# Altium PCB 20250621-Copy of PowerUpDelay-SCR.PcbDoc
Units mm, origin at the board's own origin, x right, y up, seen from the top; angles counter-clockwise.
Board outline 52 x 90 mm, 2 copper layers (Top Layer, Bottom Layer), stack 1.569 mm thick; 58 components, 37 nets, 148 pads, 197 vias.
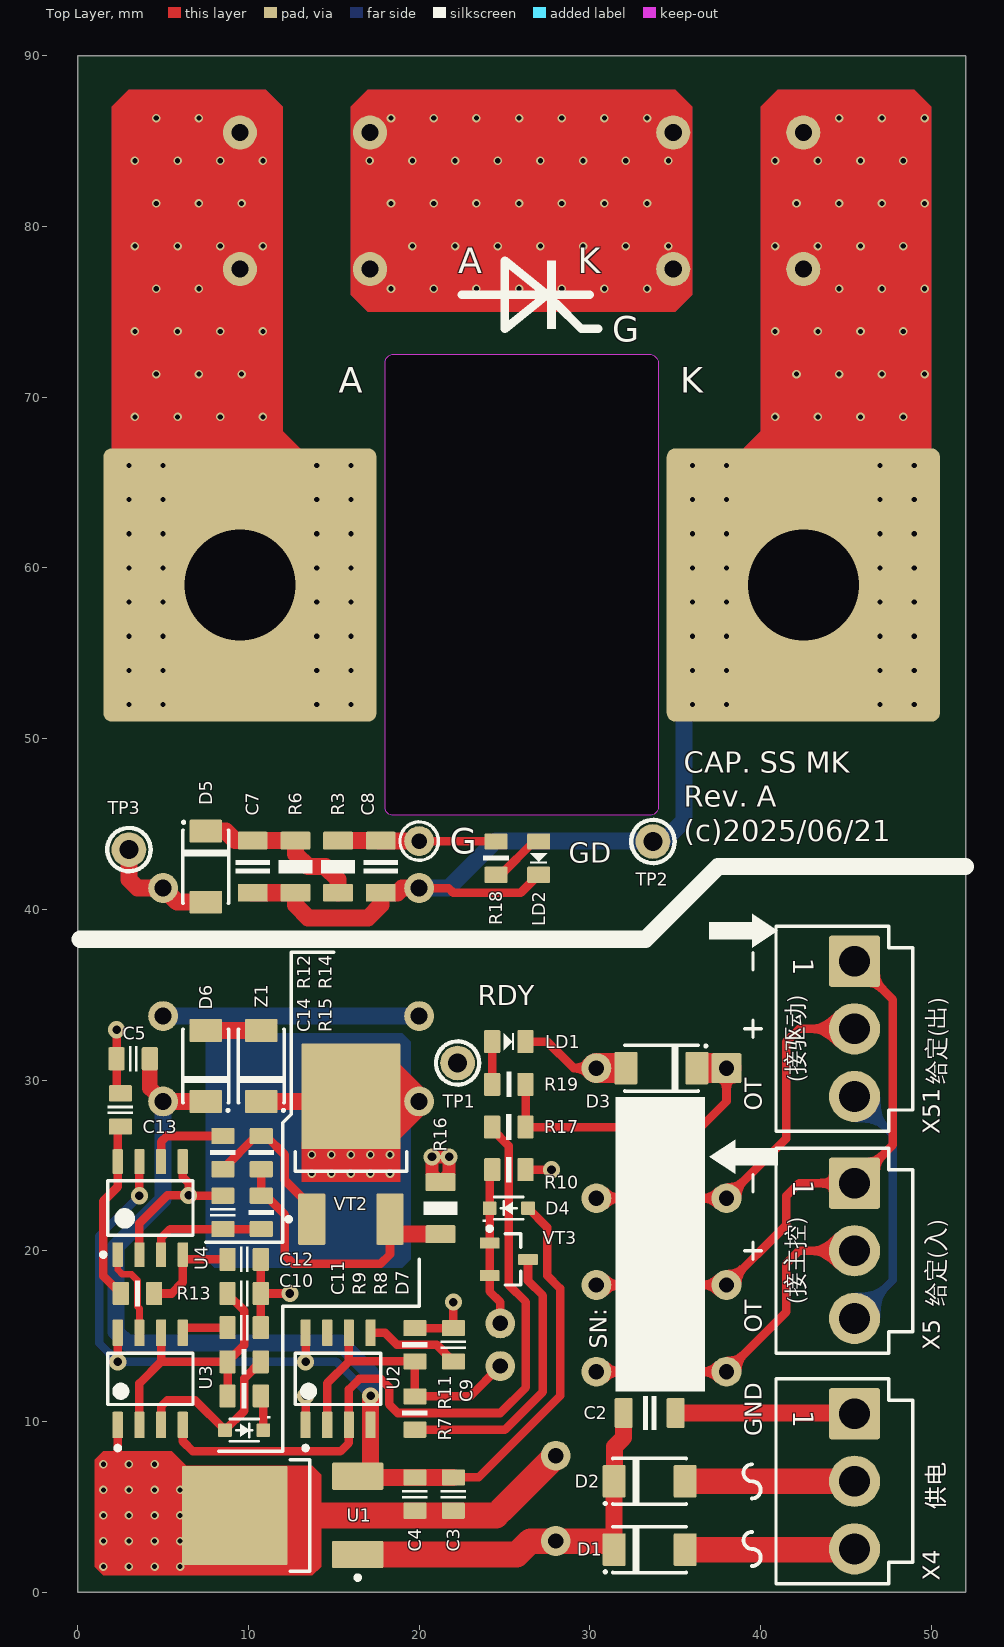
[diagram p0: Top Layer view]
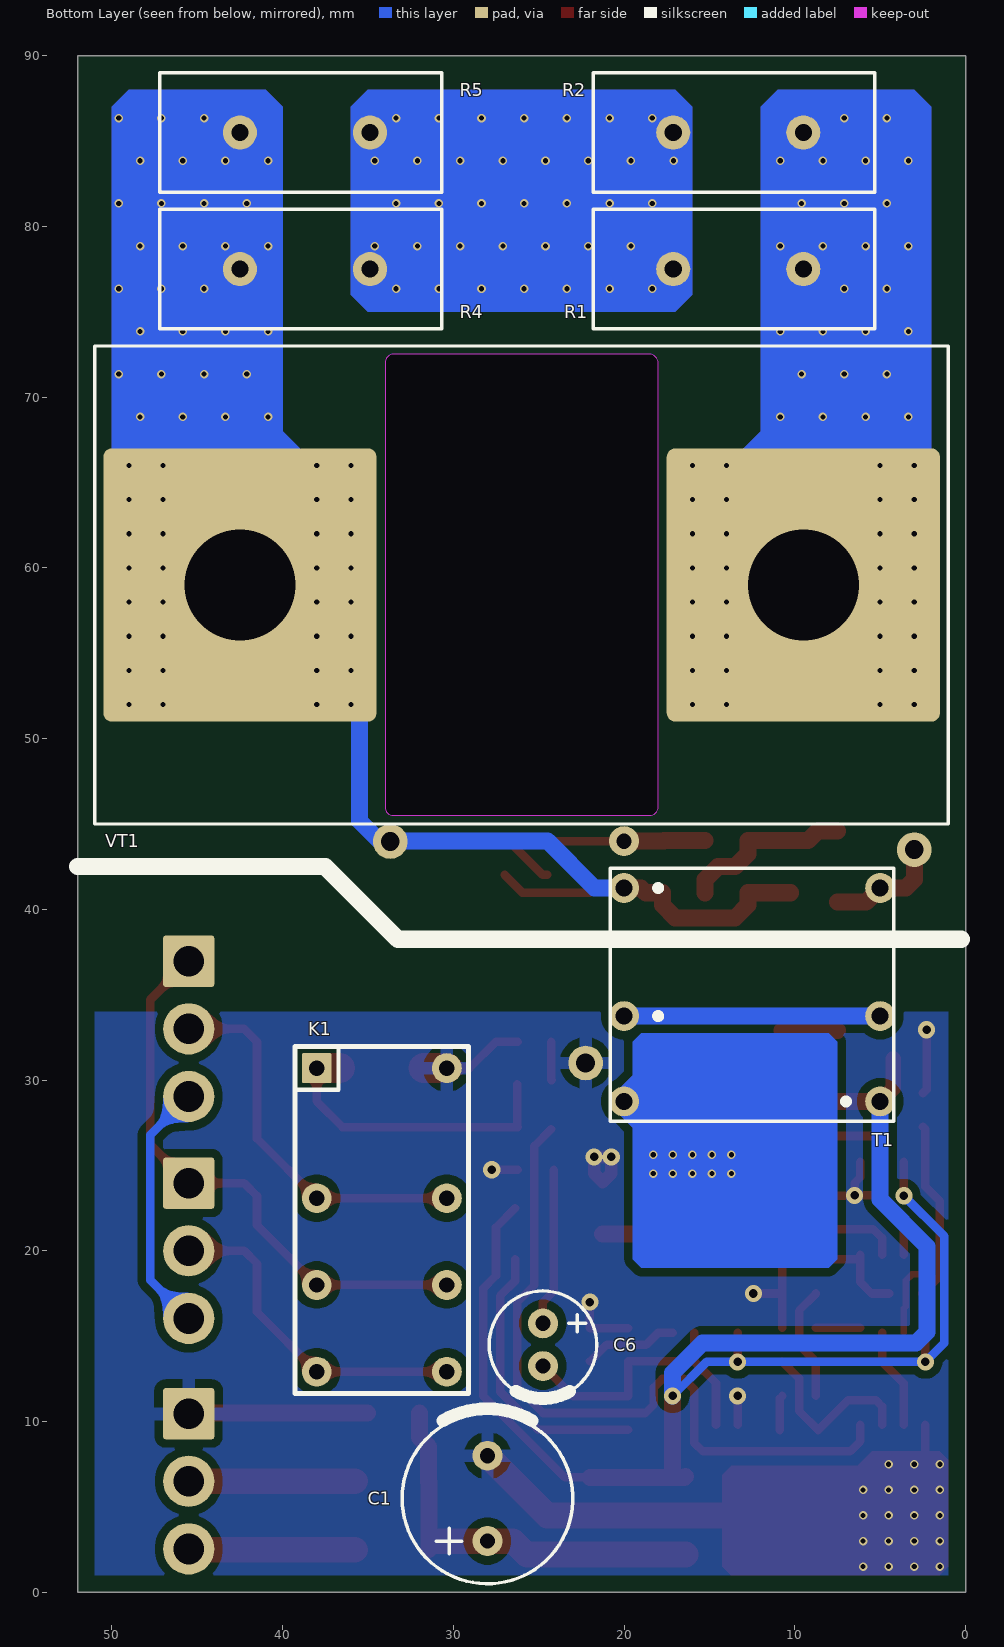
[diagram p1: Bottom Layer view, seen from below]

## Layer stack, top to bottom
Top Solder: solder mask 0.0254, SM-001, Dk 4
Top Layer: signal copper 0.035
Dielectric 1: core 1.4986, Core-043, Dk 4.3
Bottom Layer: signal copper 0.035
Bottom Solder: solder mask 0.0254, SM-001, Dk 4

## Board outline
0,0 0,90 52,90 52,0
cut-out: 18.5,45.5 18.401,45.5 18.217,45.576 18.076,45.717 18,45.901 18,46 18,72 18,72.099 18.076,72.283 18.217,72.424 18.401,72.5 18.5,72.5 33.5,72.5 33.599,72.5 33.783,72.424 33.924,72.283 34,72.099 34,72 34,46 34,45.901 33.924,45.717 33.783,45.576 33.599,45.5 33.5,45.5

## Design rules (kind name [scope] priority, off if disabled: settings)
BoardOutlineClearance [All] p1: gap=1 ignorepadtopadclearanceinfootprint=FALSE except(0: Arc-SplitContinuation Track-SplitContinuation SMDPad-SplitContinuation THPad-SplitContinuation Via-SplitContinuation Fill-SplitContinuation Poly-SplitContinuation Region-SplitContinuation Text-SplitContinuation)
Clearance Clearance_1 [InPolygon] p1: gap=0.5 ignorepadtopadclearanceinfootprint=FALSE
Clearance [All] p2: gap=0.25 ignorepadtopadclearanceinfootprint=FALSE
ComponentClearance [All] p1 off: gap=0.254 collisioncheckmode=3 verticalgap=0.25 showdistances=FALSE
PolygonConnect [All] p1: thpad.connectstyle=Relief thpad.reliefconductorwidth=0.75 thpad.reliefentries=4 thpad.polygonreliefangle="90 Angle" thpad.airgapwidth=0.5 smdpad.connectstyle=NoConnect smdpad.reliefconductorwidth=0.254 smdpad.reliefentries=4 smdpad.polygonreliefangle="90 Angle" smdpad.airgapwidth=0.254 via.connectstyle=Direct via.reliefconductorwidth=0.254 via.reliefentries=4 via.polygonreliefangle="90 Angle" via.airgapwidth=0.254
RoutingVias [All] p1: holewidth=0.4 width=0.75 viastyle="Through Hole" minholewidth=0.3 minwidth=0.5 maxholewidth=1 maxwidth=2
SolderMaskExpansion [All] p1: expansion=0.102 istentingtop=FALSE
SupplyNets "Schematic Supply Nets_3" [InNet('GND')] p1: voltage=0.000
SupplyNets "Schematic Supply Nets_2" [InNet('GND-S')] p2: voltage=0.000
SupplyNets "Schematic Supply Nets_1" [InNet('Vc')] p3: voltage=0.000
SupplyNets "Schematic Supply Nets" [InNet('+12')] p4: voltage=0.000
Width [All] p1: maxlimit=2.5 minlimit=0.25 preferedwidth=0.25
29 further rules are at their usual default settings.

## Components (designator, comment, footprint, x,y, rotation, side; value= is the part's Value field where it differs from the comment)
C1 "1000uF/35V" RB5M/D10 28,5.5 r90 bottom
C2 "100n" CAPC1206N 33.5,10.5 r0 top
C3 "100n" CAPC0805N 22,5.75 r270 top
C4 "100n" CAPC0805N 19.75,5.75 r90 top
C5 "1u" CAPC0805N 3.25,31.25 r180 top
C6 "47uF/50V" RB2.5M/D6.3 24.75,14.5 r270 bottom
C7 "10u" CAPC1206N 10.25,42.5 r270 top
C8 "100n" CAPC1206N 17.75,42.5 r270 top
C9 "10n" CAPC0805N 22,14.5 r90 top
C10 "1u" CAPC0805N 9.75,17.5 r0 top
C11 "10n" CAPC0805N 9.75,15.5 r0 top
C12 "1n" CAPC0805N 9.75,19.5 r180 top
C13 "1u" CAPC0805N 2.5,28.25 r90 top
C14 "100p" CAPC0805N 8.5,22.25 r90 top
D1 "1N4004" SMAF 33.5,2.5 r0 top
D2 "1N4004" SMAF 33.5,6.5 r0 top
D3 "1N4004" SMAF 34.19,30.7 r180 top
D4 "1N4148WS" SOD-323F-1K2A 25.25,22.5 r180 top
D5 "US1M" SMAF 7.5,42.5 r270 top
D6 "US1M" SMAF 7.5,30.83 r90 top
D7 "1N4148WS" SOD-323F-1K2A 9.75,9.5 r0 top
K1 "HFD27-12M" RLY-DPDT 30.38,30.7 r0 bottom
LD1 "GRN/0805" LEDC0805N 25.25,32.25 r0 top
LD2 "GRN/0805" LEDC0805N 27,43 r270 top
R1 "XK-D17-100R" PTC-X17 13.31,77.5 r180 bottom
R2 "XK-D17-100R" PTC-X17 13.31,85.5 r180 bottom
R3 "100R" RESC1206N 15.25,42.5 r90 top
R4 "XK-D17-100R" PTC-X17 38.69,77.5 r180 bottom
R5 "XK-D17-100R" PTC-X17 38.69,85.5 r180 bottom
R6 "1K" RESC1206N 12.75,42.5 r270 top
R7 "100R" RESC0805N 19.75,10.5 r90 top
R8 "1K2" RESC0805N 9.75,11.5 r180 top
R9 "11K" RESC0805N 9.75,13.5 r180 top
R10 "4.7K" RESC0805N 25.25,24.75 r180 top
R11 "100K" RESC0805N 19.75,14.5 r90 top
R12 "30R" RESC0805N 8.5,25.75 r90 top
R13 "17K2" RESC0805N 3.5,17.5 r0 top
R14 "10K" RESC0805N 10.75,25.75 r270 top
R15 "1K" RESC0805N 10.75,22.25 r90 top
R16 "1R" RESC1206N 21.25,22.5 r90 top
R17 "12K" RESC0805N 25.25,29.75 r180 top
R18 "5K1" RESC0805N 24.5,43 r270 top
R19 "10R" RESC0805N 25.25,27.25 r180 top
T1 "DRT801-111" TRANS-DRT801-1+1+1 12.5,35 r270 bottom
TP1 "TESTPOINT" TESTPOINT 22.25,31 r0 top
TP2 "TESTPOINT" TESTPOINT 33.691,43.975 r0 top
TP3 "TESTPOINT" TESTPOINT 3,43.5 r0 top
U1 "78M12" ONSC-DPAK-3-369AA-01_V 12,4.5 r180 top
U2 "NE555DR" FP-D0008A-MFG 15.25,12.5 r90 top
U3 "NE555DR" FP-D0008A-MFG 4.25,12.5 r90 top
U4 "UC2845AD8TR" D0008A_N 4.25,22.5 r90 top
VT1 "MT200A-16.71" MT200A-16.71 26,59 r0 bottom
VT2 "IRFR024N" ONSC-DPAK-3-369AA-01_V 16,26.25 r90 top
VT3 "BC807-40" SOT-23_N 25.25,19.5 r0 top
X4 "JST-B3P-VH" B3P-VH 45.5,6.5 r270 top
X5 "JST-B3P-VH" B3P-VH 45.5,20 r270 top
X51 "JST-B3P-VH" B3P-VH 45.5,33 r270 top
Z1 "12V/1W" SMAF 10.75,30.83 r90 top

## Footprints (in the part's own frame and the unit in brackets; to place one, negate y for a bottom-side part, rotate by r counter-clockwise, add the part's x,y. Pads: shape width x height; smd on the part's side, far side on the other; paste and mask are expansions set on the pad)
B3P-VH [mm] "JST-B3P-V, 3.96mm间距接插件"
  rrect10% 3x3 hole 1.8: 1(-3.96,0)
  round 3 hole 1.8: 2(0,0) 3(3.96,0)
  silkscreen extent -6,-4.6 6,3.4, body extent -5.91,-4.85 5.91,3.65, height 11
CAPC0805N [mm] "Chip Capacitor, 2-Leads, Body 2.00x1.25mm, IPC Medium Density"
  rrect15% 0.95x1.35 smd: 1(-0.975,0) 2(0.975,0)
  silkscreen extent -0.25,-0.75 0.25,0.75, body extent -1,-0.62 1,0.63, height 0.78
CAPC1206N [mm] "Chip Capacitor, 2-Leads, Body 3.20x1.65mm, IPC Medium Density"
  rrect15% 1.05x1.75 smd: 1(-1.525,0) 2(1.525,0)
  silkscreen extent -0.4,-1 0.4,1, body extent -1.6,-0.8 1.6,0.8, height 1
D0008A_N [mm] "SOIC, 8-Leads, Body 5x4mm, Pitch 1.27mm, IPC Medium Density"
  rrect17% 1.45x0.6 smd: 1(-2.725,1.905) 2(-2.725,0.635) 3(-2.725,-0.635) 4(-2.725,-1.905) 5(2.725,-1.905) 6(2.725,-0.635) 7(2.725,0.635) 8(2.725,1.905)
  silkscreen extent -2.85,-2.5 1.6,2.88, body extent -3,-2.45 3,2.45, height 1.63
FP-D0008A-MFG [mm]
  rrect17% 1.55x0.6 smd paste+0 mask+0: 1(-2.7,1.905) 2(-2.7,0.635) 3(-2.7,-0.635) 4(-2.7,-1.905) 5(2.7,-1.905) 6(2.7,-0.635) 7(2.7,0.635) 8(2.7,1.905)
  silkscreen extent -4.17,-2.5 1.5,2.5, body extent -3.57,-2.75 3.57,2.75, height 0.25
LEDC0805N [mm]
  rrect15% 0.95x1.35 smd: 1(-0.975,0) 2(0.975,0)
  silkscreen extent -0.3,-0.5 0.3,0.5, body extent -1.05,-0.67 1.05,0.68, height 0.9
MT200A-16.71 [mm] "拓直可控硅模块，200A，1600V,"
  rrect6% 16x16 hole 6.5: 1(-16.5,0) 2(16.5,0)
  round 1.75 hole 0.9: 3(-6,15)
  silkscreen extent -25,-14 25,14
ONSC-DPAK-3-369AA-01_V [mm] "DPAK, 3-Leads, Body 6.54x6.095mm, Pitch 2.29mm"
  rrect10% 3x1.6 smd: 1(-4.4,2.29) 3(-4.4,-2.29)
  rrect3% 6.2x5.8 smd: 4(2.8,0)
  silkscreen extent -4.53,-3.27 -0.45,3.76, body extent -4.82,-3.29 4.88,3.29, height 2.35
PTC-X17 [mm] "PTC, Thru-Hole, Dipped Radial; Body D17 x 7 mm (WxT) Pin Spacing 7.62 mm (typ)"
  round 2 hole 1: 1(-3.81,0) 2(3.81,0)
  silkscreen extent -8.5,-3.5 8,3.5
RB2.5M/D6.3 [mm]
  round 1.75 hole 0.9: 1(-1.25,0) 2(1.25,0)
  silkscreen extent -3.15,-3.15 3.15,3.15, body extent -3.15,-3.15 3.15,3.14, height 6.3
RB5M/D10 [mm]
  round 1.75 hole 0.9: 1(-2.5,0) 2(2.5,0)
  silkscreen extent -5,-5 5.25,5, body extent -5,-5 5,5, height 10
RESC0805N [mm] "Chip Resistor, 2-Leads, Body 2.00x1.25mm, IPC Medium Density"
  rrect15% 0.95x1.35 smd: 1(-0.975,0) 2(0.975,0)
  silkscreen extent -0.15,-0.75 0.15,0.75, body extent -1,-0.63 1,0.62, height 0.6
RESC1206N [mm] "Chip Resistor, 2-Leads, Body 3.20x1.65mm, IPC Medium Density"
  rrect15% 1.05x1.75 smd: 1(-1.525,0) 2(1.525,0)
  silkscreen extent -0.4,-1 0.4,1, body extent -1.6,-0.8 1.6,0.8, height 0.6
RLY-DPDT [mm]
  round 1.75 hole 0.9: COL1(0,0) COM1(0,7.62) COM2(7.62,7.62) NC1(0,12.7) NC2(7.62,12.7) NO1(0,17.78) NO2(7.62,17.78)
  rrect10% 1.75x1.75 hole 0.9: COL2(7.62,0)
  silkscreen extent -1.27,-1.27 8.89,19.05
SMAF [mm] "Flat SMA Package"
  rrect10% 1.34x1.9 smd paste+0 mask+0: 1(-2.08,0) 2(2.08,0)
  silkscreen extent -2.65,-1.35 2.15,1.35, body extent -2.85,-1.45 2.85,1.45, height 0.25
SOD-323F-1K2A [mm] "SOD-323F/SC-90; 2 Leads; Body 1.7 x 1.3 mm, (LxW)"
  rrect15% 0.8x0.8 smd: 1(1.125,0) 2(-1.125,0)
  silkscreen extent -0.85,-0.65 1.55,0.83, body extent -1.25,-0.63 1.25,0.63, height 0.78
SOT-23_N [mm] "SOT23, 3-Leads, Body 2.9x1.3mm, Pitch 0.95mm, Lead Span 2.5mm, IPC Medium Density"
  rrect15% 1.15x0.65 smd: 1(-1.125,0.95) 2(-1.125,-0.95) 3(1.125,0)
  silkscreen extent -1.25,-1.5 0.7,1.92, body extent -1.4,-1.45 1.4,1.45, height 1.3
TESTPOINT [mil]
  round 80 hole 43.31: 1(0,0)
  silkscreen extent -50,-50 50,50
TRANS-DRT801-1+1+1 [mm] "IGBT驱动变压器 DRT801/111B, 兵字"
  round 1.75 hole 1: 1(-6.25,-7.5) 2(1.25,-7.5) 3(6.25,-7.5) 4(6.25,7.5) 5(1.25,7.5) 6(-6.25,7.5)
  silkscreen extent -7.4,-8.3 7.4,8.3, body extent -7.4,-8.3 7.4,8.3, height 13.5

## Part data
C1 C6: library part "CAPACITOR POL(S)"
C2 C3 C4 C5 C7 C8 C9 C10 C11 C12 C13 C14: library part CAPACITOR(S)
D1 D2 D3 D4 D5 D6 D7: library part DIODE(S), "二极管"
K1: library part RELAY-DPDT, "继电器"
LD1 LD2: library part LED(S)
R1 R2 R4 R5: library part "RESISTOR(S) NL", "None Liner Resistor"
R3 R6 R8 R9 R11 R12 R13 R14 R15 R16 R17 R18 R19: library part RESISTOR(S)
R7 R10: library part RESISTOR(S), "电阻"
T1: library part TRANSFORM-DRT801-111_FB, "IGBT驱动变压器, DRT801/111, 12.5x16.6mm"
TP1 TP2 TP3: "测试点"
U1: library part "Volt Reg", "Voltage Regulator"
U2 U3: library part CMP-1685-00007-2, "IC OSC SGL TIMER 100KHZ 8-SOIC"
U4: library part CMP-0319-00631-2, "PWM Controller with Current Control, 50 % Duty Cycle, -40 to +85 degC, 8-pin SOIC (D), Green (RoHS & no Sb/Br)"
VT1: library part SCR(S), "晶闸管"
VT2: library part "MOSFET - N-CH", "MOSFET N-CH D-PAK/TO252"
VT3: library part PNP, "PNP Bipolar Transistor"
X4 X5 X51: library part 3PIN-PCB-Connector, "线路板接插件"
Z1: library part "DIODE ZENER(S)", "齐纳二极管"

## Via types
v1: diameter 0.5, hole 0.3, Top Layer to Bottom Layer, tented both sides, 185 vias
v2: diameter 1, hole 0.5, Top Layer to Bottom Layer, tented both sides, 12 vias

## Nets (pads, with @x,y where several pads share a name; then routed paths per layer and width w, separated by ;. In a path a pad name is that pad's centre, name@x,y a point inside that pad or via, vN(x,y) a via of type N, cw(c..) or ccw(c..) an arc to the next point about the centre after c; other vN are vias at no path point)
+12: C3.1 C4.2 C5.1 D4.2 D6.1 T1.4 U1.3 U2.4 U2.8 U3.8 U4.7 | length 100.5
  Top Layer w0.5: v2(2.345,13.5) U3.8 ; v2(3.615,23.225) U4.7 ; v2(13.345,13.5) U2.8 ; U1.3 U1.3@17.155,6.79 ; C3.1 23.475,6.725 28.25,11.5 28.25,17.8 27.5,18.55 27.5,21.375 D4.2
  Top Layer w0.9: C5.1 4.225,29.525 T1.4
  Top Layer w1: T1.4 D6.1 ; U1.3 16.465,6.725 C3.1 ; U1.3@17.155,6.79 U2.4 v2(17.155,11.5)
  Bottom Layer w0.5: v2(3.615,23.225) 1.25,20.86 1.25,14.595 v2(2.345,13.5) v2(13.345,13.5) 15.155,13.5 v2(17.155,11.5)
  Bottom Layer w1: T1.4 5,23 2.25,20.25 2.25,15.25 2.905,14.595 15.405,14.595 17.155,12.845 v2(17.155,11.5)
GND: C1.2 C2.2 C3.2 C4.1 C5.2 C9.2 C10.2 C11.2 C12.1 C13.2 C14.2 D3.2 K1.COL1 LD1.2 R10.1 R11.2 R16.2 TP1.1 U1.4 U2.1 U3.1 U4.2 U4.5 X4.1 | length 74.3
  Top Layer w0.5: v2(2.275,32.95) C5.2 2.275,29.45 C13.2 ; U3.1 2.345,7.905 2.375,7.875 ; U4.2 3.615,21.615 5.25,23.25 v2(6.5,23.25) ; U4.5 6.155,24.318 6.5,23.973 v2(6.5,23.25) ; C14.2 6.525,23.225 v2(6.5,23.25) ; C11.2 C10.2 ; C12.1 C10.2 ; v2(12.425,17.5) C10.2 ; U2.1 v2(13.345,11.5) ; R11.2 C9.2 v2(22,17) ; R10.1 v2(27.75,24.75) ; LD1.2 27.5,32.25 29.05,30.7 K1.COL1
  Top Layer w0.75: R16.2@20.75,24.525 R16.2 21.75,24.525 v2(21.75,25.5) v2(20.75,25.5) R16.2@20.75,24.525
  Top Layer w0.9: C4.1 24.775,4.775
  Top Layer w1: 24.5,4.5 24.775,4.775 ; C2.2 45.46,10.5 X4.1
  Top Layer w1.5: U1.4 24.5,4.5 ; 24.775,4.775 C1.2
  Top Layer w1.75: K1.COL1 D3.2@31.75,30.7
  other v1: 1.5,1.5 3,1.5 4.5,1.5 6,1.5 1.5,3 3,3 4.5,3 6,3 1.5,4.5 3,4.5 4.5,4.5 6,4.5 1.5,6 3,6 4.5,6 6,6 1.5,7.5 3,7.5 4.5,7.5
GND-S: K1.NC1 K1.NC2 X5.1 X51.1 | length 33.5
  Top Layer w0.5: K1.NC1 K1.NC2 41.5,21.5 41.5,23.21 42.25,23.96 X5.1 47.75,26.21 47.75,34.71 X51.1
Iref: K1.NO1 K1.NO2 X5.2 | length 19.7
  Top Layer w0.5: K1.NO1 K1.NO2 41.5,16.42 41.5,19.25 42.25,20 X5.2
Iref-s: K1.COM1 K1.COM2 X51.2 | length 22.6
  Top Layer w0.5: K1.COM1 K1.COM2 41.5,26.58 41.5,32.25 42.25,33 X51.2
NetC1_1: C1.1 C2.1 D1.1 D2.1 U1.1 | length 23.9
  Top Layer w1: D1.1@30.92,3 D1.1 D2.1@31.42,6.42 ; D2.1 D2.1@31.42,6.42 ; C2.1 31.975,9.055 31.446,8.526 31.446,6.446 D2.1@31.42,6.42
  Top Layer w1.5: U1.1 25.71,2.21 26.5,3 C1.1 D1.1@30.92,3
NetC6_1: C6.1 D4.1 R10.2 VT3.1 VT3.2 | length 9.3
  Top Layer w0.5: R10.2@24.125,24.75 VT3.1 VT3.2 24.125,17.625 24.75,17 C6.1
NetC6_2: C6.2 R7.2 R11.1 U2.2 U2.6 | length 17.6
  Top Layer w0.5: U2.2 14.615,12.255 15.885,13.525 ; U2.6 15.885,13.525 ; C6.2 22.975,11.475 R7.2 R11.1 15.885,13.525
NetC7_1: C7.1 D5.1 R3.1 R6.1 | length 10.2
  Top Layer w1: D5.1 8.67,44.58 9.225,44.025 C7.1 R6.1 12.75,43.25 13.5,42.5 14.5,42.5 15.25,41.75 R3.1
NetC7_2: C7.2 C8.2 LD2.2 R4.1 R5.1 R6.2 T1.1 TP2.1 VT1.2 | length 53.3
  Top Layer w0.5: T1.1 21.725,41.25 22,40.975 25.95,40.975 LD2.2
  Top Layer w1: C7.2 R6.2 12.75,40.25 13.5,39.5 17,39.5 17.75,40.25 C8.2 18.725,40.975 19,41.25 T1.1
  Bottom Layer w1: T1.1 21.725,41.25 24.475,44 34.121,44 34.328,44 35.5,45.172 35.5,45.379 35.5,52 VT1.2
  other v1: 36,52 38,52 47,52 49,52 36,54 38,54 47,54 49,54 36,56 38,56 47,56 49,56 36,58 38,58 47,58 49,58 36,60 38,60 47,60 49,60 36,62 38,62 47,62 49,62 36,64 38,64 47,64 49,64 36,66 38,66 47,66 49,66 40.85,68.85 43.35,68.85 45.85,68.85 48.35,68.85 42.1,71.35 44.6,71.35 47.1,71.35 49.6,71.35 40.85,73.85 43.35,73.85 45.85,73.85 48.35,73.85 44.6,76.35 47.1,76.35 49.6,76.35 40.85,78.85 43.35,78.85 45.85,78.85 48.35,78.85 42.1,81.35 44.6,81.35 47.1,81.35 49.6,81.35 40.85,83.85 43.35,83.85 45.85,83.85 48.35,83.85 44.6,86.35 47.1,86.35 49.6,86.35
NetC8_1: C8.1 R3.2 R18.1 VT1.3 | length 9.3
  Top Layer w0.5: VT1.3 R18.1@24.5,44
  Top Layer w1: R3.2 17.647,44.025 17.672,44 VT1.3
NetC9_1: C9.1 U2.5 | length 5.5
  Top Layer w0.5: U2.5 18,15.2 18.7,14.5 21.025,14.5 C9.1
NetC10_1: C10.1 R8.2 R9.2 U3.2 U3.6 | length 16.6
  Top Layer w0.5: U3.2 3.615,12.23 4.885,13.5 ; U3.6 4.885,13.5 ; R8.2 R9.2 ; C10.1 8.775,17.475 9.75,16.5 9.75,14.475 R9.2 ; 4.885,13.5 R9.2
NetC11_1: C11.1 U3.5 | length 2.6
  Top Layer w0.5: U3.5@6.155,15.5 C11.1
NetC12_2: C12.2 R13.2 U4.4 | length 6.2
  Top Layer w0.5: R13.2 5.5,17.5 6.155,18.155 U4.4@6.155,19.5 ; U4.4 U4.4@6.155,19.5 ; C12.2 U4.4@6.155,19.5
NetC13_1: C13.1 R13.1 U4.8 | length 10.6
  Top Layer w0.5: C13.1 2.345,27.12 U4.8 2.345,23.75 1.5,22.905 1.5,18.525 R13.1
NetC14_1: C14.1 R15.1 U4.3 | length 7.7
  Top Layer w0.5: U4.3 4.885,20.75 5.41,21.275 C14.1@8.895,21.275 ; C14.1@8.265,21.275 C14.1 R15.1
NetD1_2: D1.2 X4.3 | length 9.8
  Top Layer w1: X4.3@45.46,2.5 X4.3
  Top Layer w1.5: D1.2@35.75,2.5 X4.3@45.46,2.5
NetD2_2: D2.2 X4.2 | length 9.8
  Top Layer w1.5: D2.2@35.75,6.5 X4.2
NetD3_1: D3.1 K1.COL2 R17.1 R19.1 | length 18.2
  Top Layer w0.5: R17.1@26.25,29.75 26.25,27.275 R19.1 36.5,27.25 38,28.75 K1.COL2
  Top Layer w1.75: D3.1@36.63,30.7 K1.COL2
NetD5_2: D5.2 T1.6 TP3.1 | length 6.8
  Top Layer w1: TP3.1 3,41.75 3.5,41.25 T1.6 5.83,40.42 D5.2
NetD6_2: D6.2 Z1.2 | length 3.3
  Top Layer w1: D6.2 Z1.2
NetD7_1: D7.1 R8.1 | length 2.1
  Top Layer w0.5: R8.1 10.875,11.35 D7.1
NetD7_2: D7.2 R9.1 U3.3 | length 10.6
  Top Layer w0.5: U3.3 4.885,10.885 5.25,11.25 6.875,11.25 D7.2 9.75,10.625 9.75,12.525 R9.1
NetLD1_1: LD1.1 R17.2 | length 2.3
  Top Layer w0.5: R17.2@24.25,30 24.275,30.025 LD1.1
NetLD2_1: LD2.1 R18.2 | length 3.3
  Top Layer w0.5: R18.2 24.775,42.025 26.725,43.975 LD2.1
NetR1_1: R1.1 R2.1 R4.2 R5.2
  other v1: 18.35,76.35 20.85,76.35 23.35,76.35 25.85,76.35 28.35,76.35 30.85,76.35 33.35,76.35 19.6,78.85 22.1,78.85 24.6,78.85 27.1,78.85 29.6,78.85 32.1,78.85 34.6,78.85 18.35,81.35 20.85,81.35 23.35,81.35 25.85,81.35 28.35,81.35 30.85,81.35 33.35,81.35 17.1,83.85 19.6,83.85 22.1,83.85 24.6,83.85 27.1,83.85 29.6,83.85 32.1,83.85 34.6,83.85 18.35,86.35 20.85,86.35 23.35,86.35 25.85,86.35 28.35,86.35 30.85,86.35 33.35,86.35
NetR1_2: R1.2 R2.2 VT1.1
  other v1: 3,52 5,52 14,52 16,52 3,54 5,54 14,54 16,54 3,56 5,56 14,56 16,56 3,58 5,58 14,58 16,58 3,60 5,60 14,60 16,60 3,62 5,62 14,62 16,62 3,64 5,64 14,64 16,64 3,66 5,66 14,66 16,66 3.35,68.85 5.85,68.85 8.35,68.85 10.85,68.85 4.6,71.35 7.1,71.35 9.6,71.35 3.35,73.85 5.85,73.85 8.35,73.85 10.85,73.85 4.6,76.35 7.1,76.35 3.35,78.85 5.85,78.85 8.35,78.85 10.85,78.85 4.6,81.35 7.1,81.35 9.6,81.35 3.35,83.85 5.85,83.85 8.35,83.85 10.85,83.85 4.6,86.35 7.1,86.35
NetR7_1: R7.1 VT3.3 | length 16.5
  Top Layer w0.5: R7.1 23.525,9.525 25.025,9.525 27.25,11.75 27.25,17.375 26.375,18.25 VT3.3
NetR12_1: R12.1 R14.1 VT2.1 | length 9.3
  Top Layer w0.5: R12.1 10.45,26.725 R14.1 11.025,26.725 12.125,25.625 12.125,24.133 13.71,22.548 VT2.1
NetR12_2: R12.2 U4.6 | length 4.9
  Top Layer w0.5: U4.6 4.885,26.385 5.225,26.725 R12.2
NetR14_2: R14.2 R15.2 R16.1 VT2.3 | length 17.4
  Top Layer w0.5: R14.2 R15.2 11.025,23.225 12.125,22.125 12.125,19.75 12.625,19.25 17.75,19.25 18.29,19.79 VT2.3@18.29,20.975
  Top Layer w1: VT2.3 18.29,20.975 R16.1
NetR19_2: R19.2 U2.3 U3.4 | length 42.9
  Top Layer w0.5: U3.4 6.155,8.845 6.75,8.25 15.385,8.25 15.885,8.75 U2.3 15.885,11.885 16.5,12.5 17.75,12.5 18.25,12 18.25,11 18.75,10.5 24.75,10.5 26.25,12 26.25,17 25.25,18 25.25,26.145 R19.2@24.275,27.12
NetT1_2: T1.2 T1.5 | length 15
  Bottom Layer w1: T1.5 T1.2
NetT1_3: T1.3 VT2.4 Z1.1 | length 19.1
  Top Layer w1: Z1.1 15.7,28.75 VT2.4 16.3,28.75 T1.3
  Top Layer w1.5: VT2.4@17.75,31 T1.3 VT2.4@18.25,27
  Bottom Layer w1.5: 18.45,27.2 T1.3 18.75,30
  other v1: 13.71,24.525 14.855,24.525 16,24.525 17.145,24.525 18.29,24.525 13.71,25.625 14.855,25.625 16,25.625 17.145,25.625 18.29,25.625
NetU3_7: U3.7 U4.1 | length 5.4
  Top Layer w0.4: U4.1 2.345,18.905 2.625,18.625 3.145,18.625 3.5,18.27 3.5,16.73 3.615,16.615 U3.7
Vc: X5.3 X51.3 | length 14.9
  Bottom Layer w0.5: X5.3 47.75,18.29 47.75,26.79 X51.3
pads on no net: U2.7

## Polygon pours and split planes (outlines as drawn)
GND on Bottom Layer "NONET_L-01_P-001" (solid, remove dead copper, pour order 0): 0,34 52,34 52,0 0,0

## Other copper
Top Layer:
  rectangle net NetT1_3: 13.1,24.025 18.9,26.365
  region net NetR1_1: 17,88 16,87 16,76 17,75 35,75 36,76 36,87 35,88
  region net NetR1_2: 2,66.5 2,87 3,88 11,88 12,87 12,68 13.5,66.5
  region net NetC7_2: 50,66.5 50,87 49,88 41,88 40,87 40,68 38.5,66.5
  region net GND: 14.25,1.5 13.75,1 1.5,1 1,1.5 1,7.75 1.5,8.25 5.5,8.25 6.35,7.4 13.725,7.4 14.25,6.875
Bottom Layer:
  region net NetR1_1: 17,88 16,87 16,76 17,75 35,75 36,76 36,87 35,88
  region net NetR1_2: 2,66.5 2,87 3,88 11,88 12,87 12,68 13.5,66.5
  region net NetC7_2: 50,66.5 50,87 49,88 41,88 40,87 40,68 38.5,66.5
  region net NetT1_3: 8,32.75 7.5,32.25 7.5,24 7.5,19.5 8,19 19,19 19.5,19.5 19.5,32.25 19,32.75

## Silkscreen, mask and mechanical layers (free items; w line width, h text height)
Top Overlay:
  circle w0.2: c20,44 r1.125
  rectangle: 27.5,74 28,78
  region: 36.75,11.75 36.75,29 31.5,29 31.5,11.75
  region: 37,25.5 38.5,24.5 38.5,25 41,25 41,26 38.5,26 38.5,26.5
  region: 41,38.75 39.5,39.75 39.5,39.25 37,39.25 37,38.25 39.5,38.25 39.5,37.75
  lines w0.2: 7.5,20.5 12,20.5 12,27.5 12.5,28 12.5,37.5 15,37.5 ; 8.25,8.25 12,8.25 12,16.75 20,16.75 20,19.25 20,19.5 ; 39.053,20 40.053,20 ; 39.053,33 40.053,33 ; 39.553,19.5 39.553,20.5 ; 39.553,23.46 39.553,24.46 ; 39.553,32.5 39.553,33.5 ; 39.553,36.46 39.553,37.46
  lines w0.225: 39.5,1.54 ccw(c39.5,2.04) 39.5,2.54 cw(c39.5,3.04) 39.5,3.54 ; 39.5,5.5 ccw(c39.5,6) 39.5,6.5 cw(c39.5,7) 39.5,7.5
  lines w0.5: 22.5,76 30,76 ; 28,75.5 29.5,74 30.5,74 ; 25,74 27.5,76 25,78 25,76 25,74
  lines w1: 0.15,38.25 33.25,38.25 37.5,42.5 52,42.5
  text "A" at 22.3,77.25 h1.5
  text "K" at 29.3,77.25 h1.5
  text "G" at 31.3,73.25 h1.5
  text "A" at 15.3,70.25 h1.5
  text "K" at 35.3,70.25 h1.5
  text "CAP. SS MK" at 35.5,48 h1.25
  text "Rev. A" at 35.5,46 h1.25
  text "(c)2025/06/21" at 35.5,44 h1.25
  text "G" at 21.8,43.25 h1.5
  text "GD" at 28.75,42.359 h2
  text "RDY" at 23.426,34 h2
  text "(接驱动)" at 42.87,29.908 h1.75 r90
  text "给定(出)" at 51.129,29.744 h1.75 r90
  text "OT" at 40.053,28.207 h1 r90
  text "(接主控)" at 42.87,16.908 h1.75 r90
  text "给定(入)" at 51.116,16.744 h1.75 r90
  text "OT" at 40.053,15.207 h1 r90
  text "SN:" at 31,14.25 h1 r90
  text "GND" at 40.053,9.127 h1 r90
  text "供电" at 51.1,4.82 h1.75 r90
Bottom Overlay:
  lines w1: 0.25,38.25 33.25,38.25 37.5,42.5 52,42.5
Board:
  the board outline again, w0.1

## Dimensions
0,0 to 0,90 on Dimensions
0,0 to 52,0 on Dimensions

## Text inside footprints (layer, text, board x,y; h text height)
VT1: Bottom Assembly "A" at 14.5,69.604 h1.5; Bottom Assembly "K" at 36.5,69.604 h1.5; Bottom Assembly "G" at 16.5,43.604 h1.5
X4: Top Overlay "1" at 41.9,10.66 h1.2 r270
X5: Top Overlay "1" at 41.9,24.16 h1.2 r270
X51: Top Overlay "1" at 41.9,37.16 h1.2 r270